# Altium PCB Kame_PDB.PcbDoc
Units mm, origin at the board's own origin, x right, y up, seen from the top; angles counter-clockwise.
Board outline 112 x 65 mm, 4 copper layers (Top, L2, L3, Bottom), stack 1.53 mm thick; 50 components, 40 nets, 223 pads, 624 vias.
Unrouted connection lines stored in the file: 16.
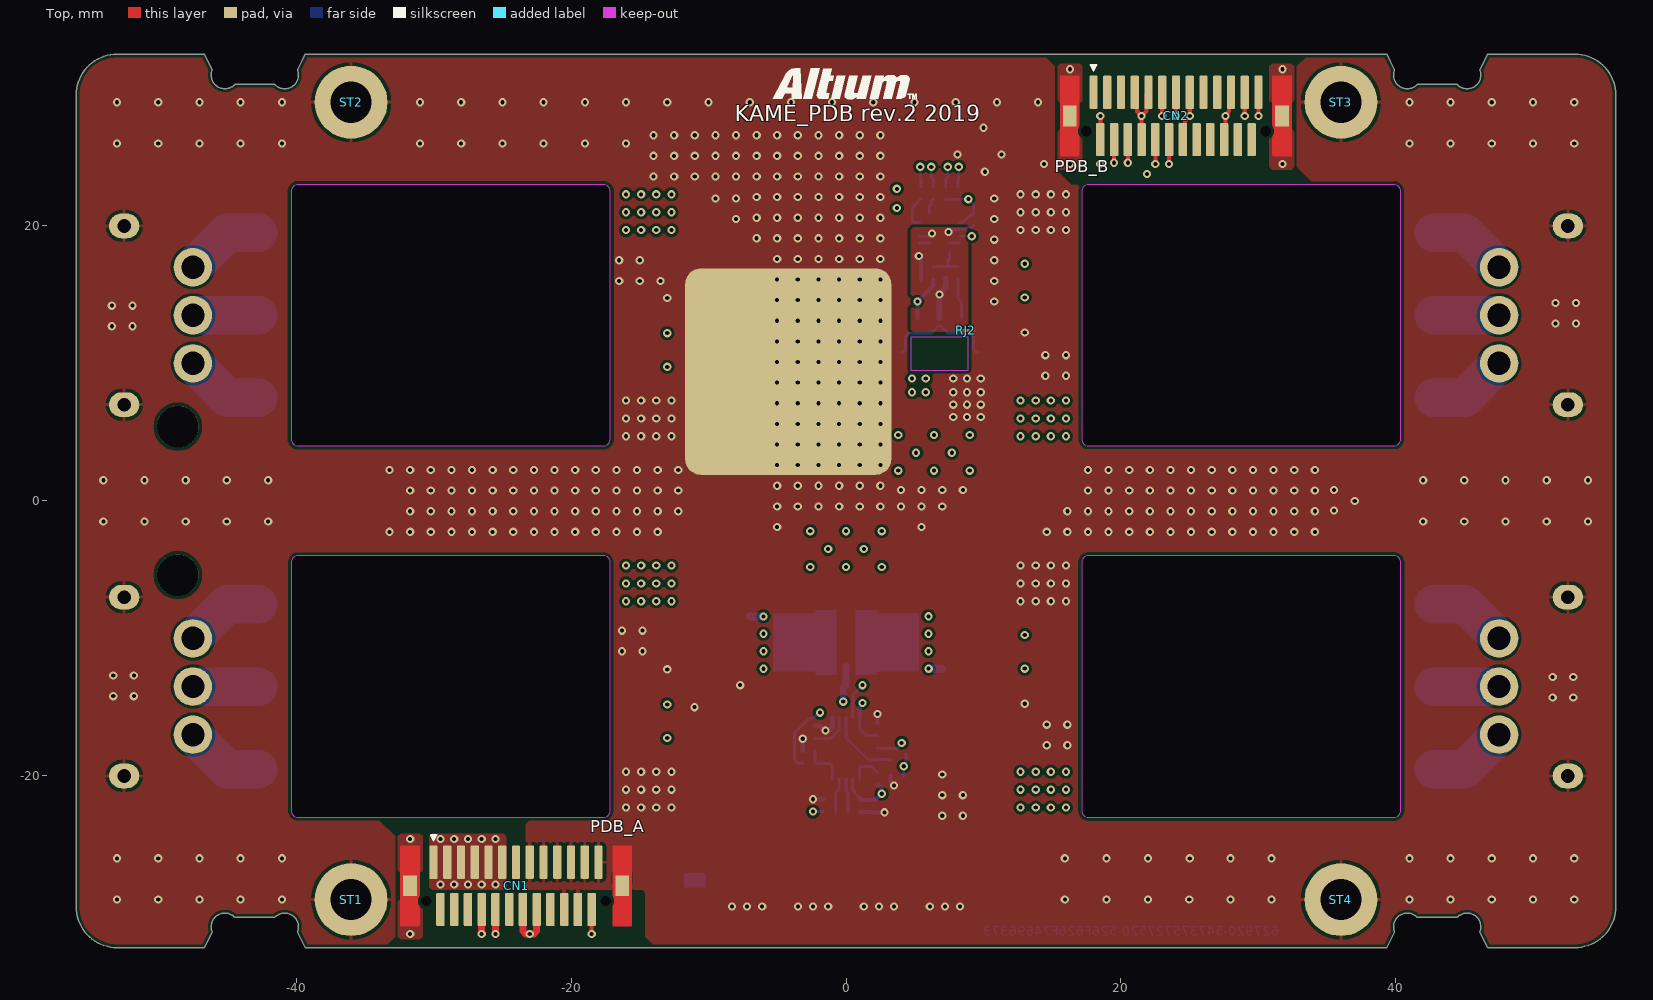
[diagram p0: Top view]
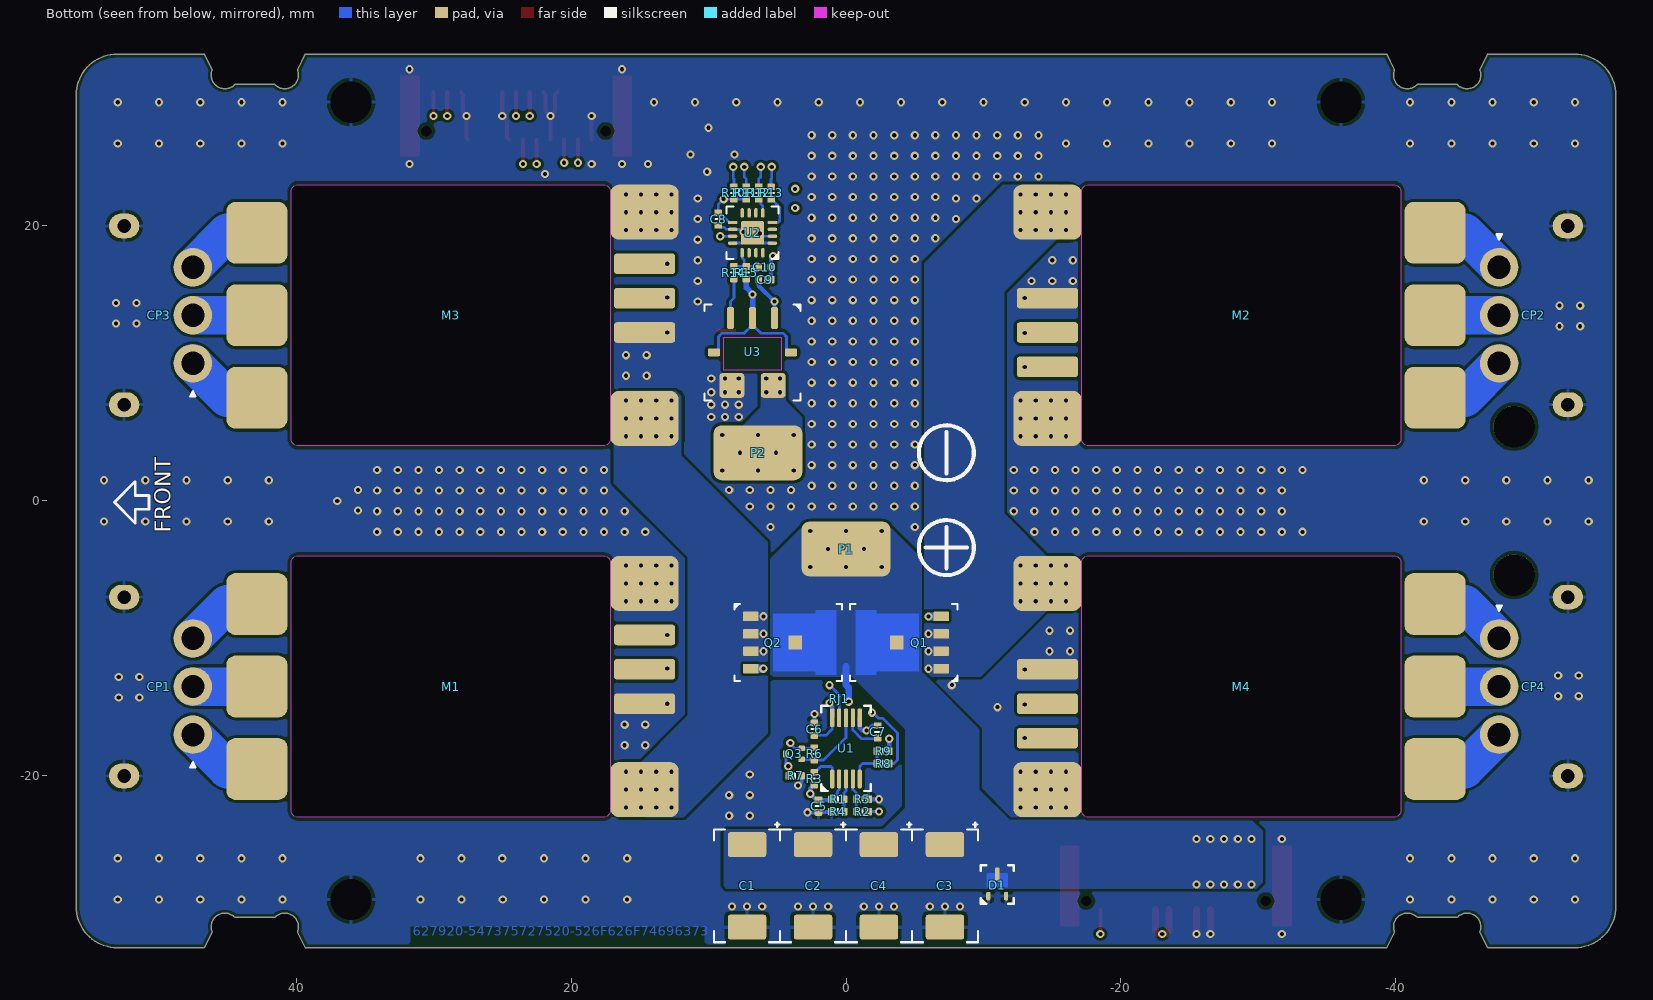
[diagram p1: Bottom view, seen from below]
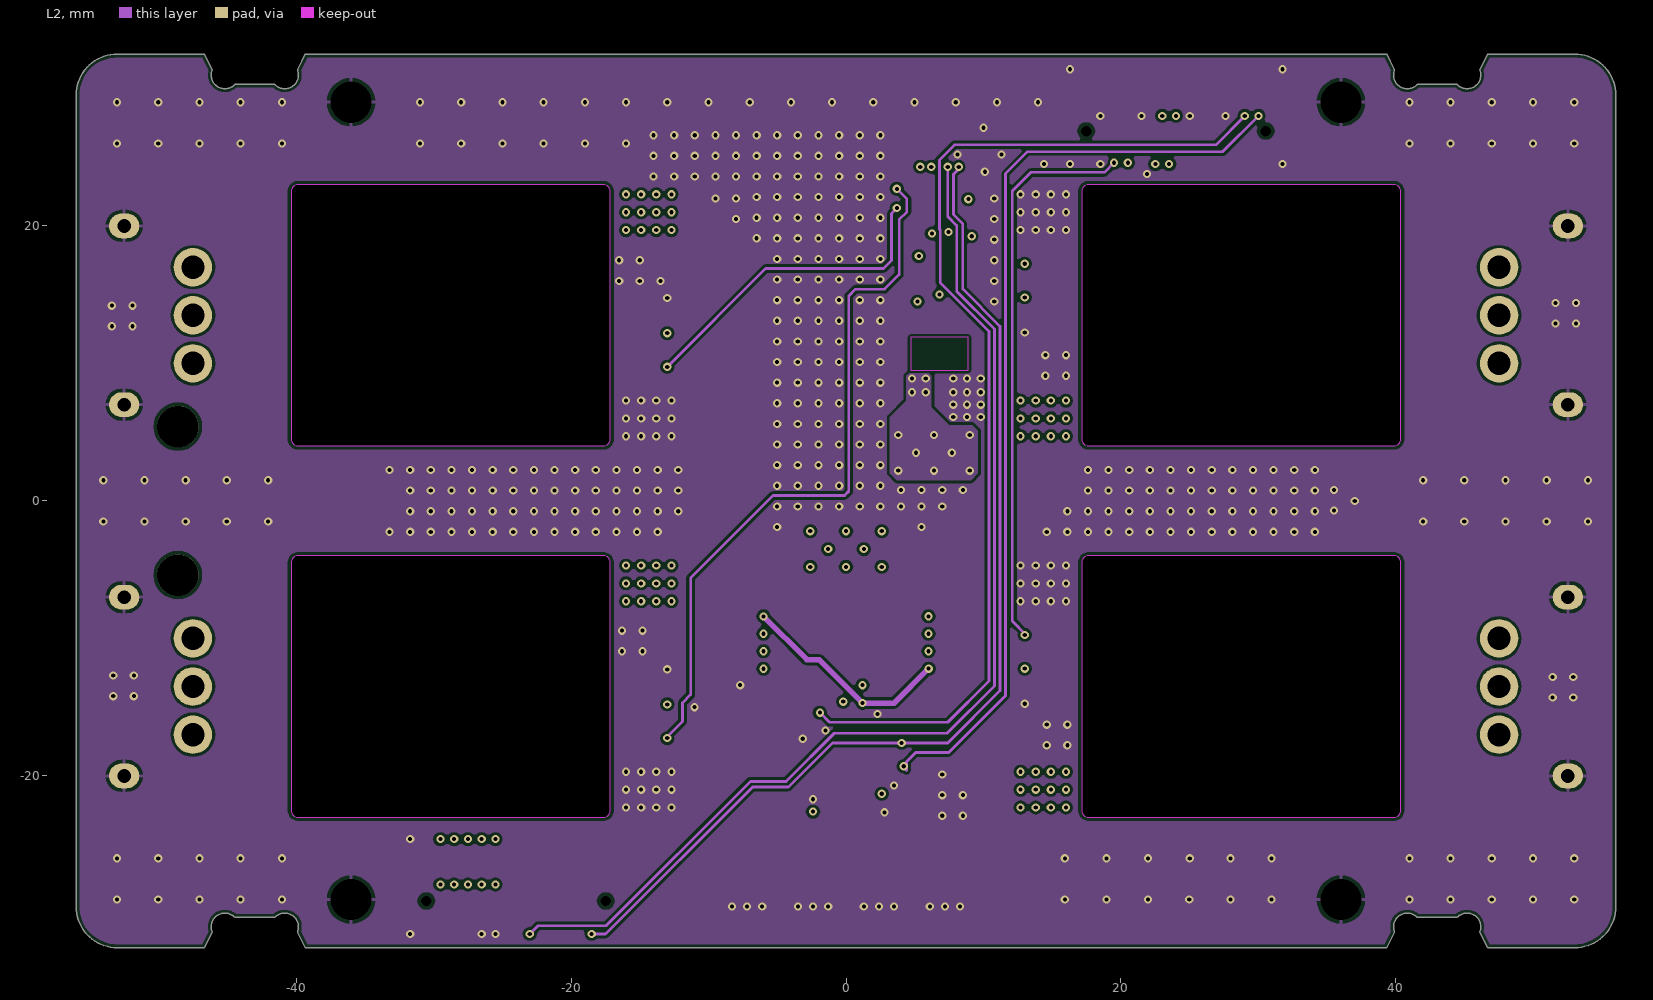
[diagram p2: L2]
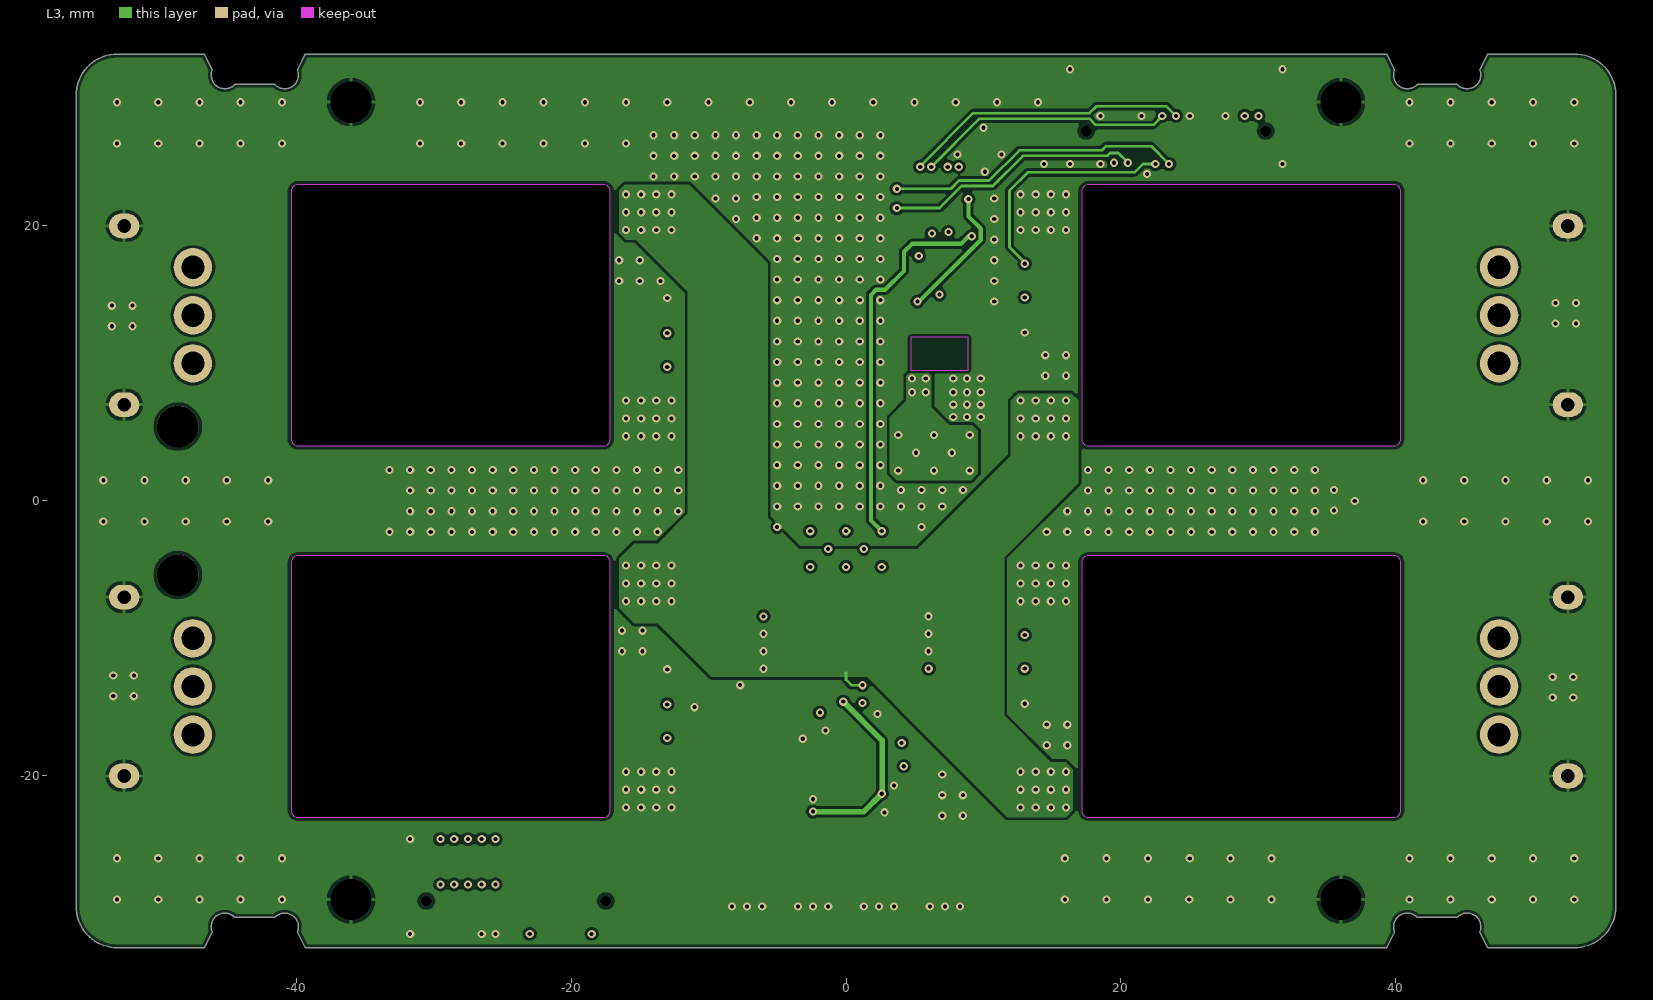
[diagram p3: L3]
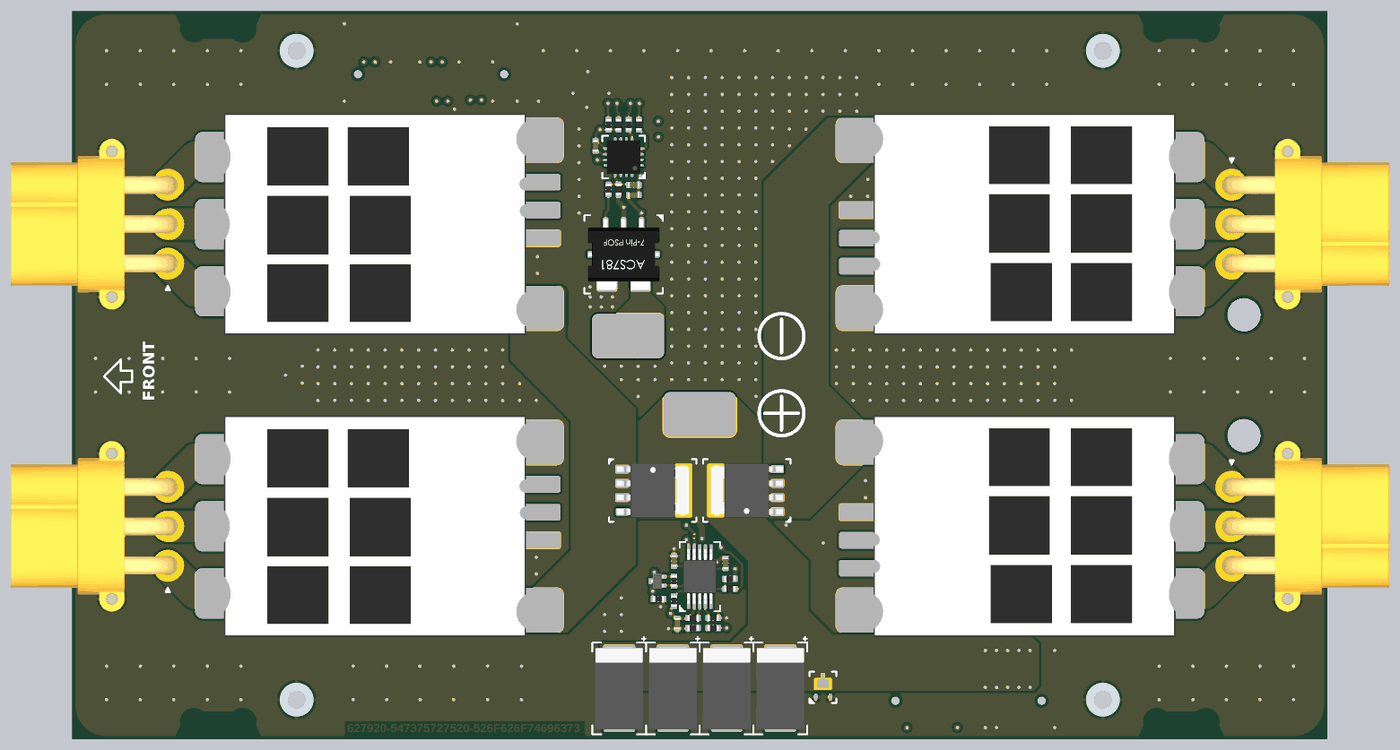
[diagram p4: 3D render of the assembled board from below, using the file's embedded part models]

## Layer stack, top to bottom
Top Solder: solder mask 0.0102, Solder Resist, Dk 3.5
Top: signal copper 0.06
PP1: prepreg 0.32, PP-006, Dk 4.1
L2: signal copper 0.035
Core1: core 0.7, Core-009, Dk 4.6
L3: signal copper 0.035
PP2: prepreg 0.32, PP-006, Dk 4.1
Bottom: signal copper 0.06
Bottom Solder: solder mask 0.0102, Solder Resist, Dk 3.5

## Board outline
-53,-32.5 -46.675,-32.5 -46.108,-31.341 cw(c-45.176,-30.979) -44.442,-30.3 -41.558,-30.3 cw(c-40.824,-30.979) -39.892,-31.341 -39.325,-32.5 39.325,-32.5 39.892,-31.341 cw(c40.824,-30.979) 41.558,-30.3 44.442,-30.3 cw(c45.176,-30.979) 46.108,-31.341 46.675,-32.5 53,-32.5 ccw(c53,-29.5) 56,-29.5 56,29.5 ccw(c53,29.5) 53,32.5 46.675,32.5 46.108,31.341 cw(c45.176,30.979) 44.442,30.3 41.558,30.3 cw(c40.824,30.979) 39.892,31.341 39.325,32.5 -39.325,32.5 -39.892,31.341 cw(c-40.824,30.979) -41.558,30.3 -44.442,30.3 cw(c-45.176,30.979) -46.108,31.341 -46.675,32.5 -53,32.5 ccw(c-53,29.5) -56,29.5 -56,-29.5 ccw(c-53,-29.5)

## Design rules (kind name [scope] priority, off if disabled: settings)
BoardOutlineClearance [All] p1: gap=0.25 ignorepadtopadclearanceinfootprint=FALSE
Clearance "Outline/NPTH clearance" [(IsThruPin and (PadisPlated = 'False')) or IsBoardCutoutRegion or IsBoardOutline] p1: gap=0.25 ignorepadtopadclearanceinfootprint=FALSE
Clearance "Polygon Clearance" [InPolygon] p2: gap=0.2 ignorepadtopadclearanceinfootprint=FALSE
Clearance "Abs Min clearance" [All] p3: gap=0.2 ignorepadtopadclearanceinfootprint=FALSE
Clearance "Top clearance" [OnLayer('Top') vs OnLayer('Top')] p4: gap=0.2 ignorepadtopadclearanceinfootprint=FALSE
Clearance "Bottom clearance" [OnLayer('Bottom') vs OnLayer('Bottom')] p5: gap=0.2 ignorepadtopadclearanceinfootprint=FALSE
DiffPairsRouting "Current sensing" [InDifferentialPairClass('Current Sensing')] p1: maxlimit=0.2 minlimit=0.15 mostfreqgap=0.15 toplayer_minwidth=0.15 toplayer_maxwidth=0.2 toplayer_prefwidth=0.15 midlayer1_minwidth=0.15 midlayer1_maxwidth=0.2 midlayer1_prefwidth=0.15 midlayer2_minwidth=0.15 midlayer2_maxwidth=0.2 midlayer2_prefwidth=0.15 bottomlayer_minwidth=0.15 bottomlayer_maxwidth=0.2 bottomlayer_prefwidth=0.15 maxuncoupledlength=3
DiffPairsRouting USB_90R [InDifferentialPairClass('USB')] p2: maxlimit=0.16 minlimit=0.16 mostfreqgap=0.16 toplayer_minwidth=0.15 toplayer_maxwidth=0.15 toplayer_prefwidth=0.15 midlayer1_minwidth=0.15 midlayer1_maxwidth=0.15 midlayer1_prefwidth=0.15 midlayer2_minwidth=0.15 midlayer2_maxwidth=0.15 midlayer2_prefwidth=0.15 bottomlayer_minwidth=0.15 bottomlayer_maxwidth=0.15 bottomlayer_prefwidth=0.15 maxuncoupledlength=3
DiffPairsRouting CSI_100R [InDifferentialPairClass('CSI')] p3: maxlimit=0.13 minlimit=0.13 mostfreqgap=0.13 toplayer_minwidth=0.1 toplayer_maxwidth=0.1 toplayer_prefwidth=0.1 midlayer1_minwidth=0.1 midlayer1_maxwidth=0.1 midlayer1_prefwidth=0.1 midlayer2_minwidth=0.1 midlayer2_maxwidth=0.1 midlayer2_prefwidth=0.1 bottomlayer_minwidth=0.1 bottomlayer_maxwidth=0.1 bottomlayer_prefwidth=0.1 maxuncoupledlength=3
HoleSize [All] p1: absolutevalues=TRUE maxlimit=30 minlimit=0.2 maxpercent=80.000 minpercent=20.000
HoleToHoleClearance [All] p1: gap=0.2 allowstackedmicrovias=TRUE
MatchedLengths "CSI matching" [All] p1 off: tolerance=0.125 checknetsindiffpair=FALSE checkdiffpairvsdiffpair=TRUE checkxsignals=TRUE checkothers=TRUE
MatchedLengths "USB matching" [InDifferentialPairClass('90R')] p2: tolerance=0.125 checknetsindiffpair=TRUE checkdiffpairvsdiffpair=FALSE checkxsignals=FALSE checkothers=FALSE
MaximumViaCount [All] p1: limit=1000
MinimumSolderMaskSliver [All] p1: minsoldermaskwidth=0.1
PlaneClearance [All] p1: clearance=0.25
PlaneConnect [IsThruPin and (PadisPlated = 'True')] p1: planeconnectstyle=Relief reliefexpansion=0.508 reliefentries=4 reliefconductorwidth=0.254 reliefairgap=0.254
PolygonConnect [IsPolygon vs IsRegion] p1: connectstyle=Relief reliefconductorwidth=0.25 reliefentries=4 polygonreliefangle="90 Angle" airgapwidth=0.25
PolygonConnect PolygonConnect_3 [IsPolygon vs InNet('ESC_POWER') And IsVia or   InNet('BAT_-') And IsVia or    InNet('GND') And IsVia or    InNet('BAT_PWR17_PDB') And  IsVia or  InNet('ESC_POWER') And IsPad or  InNet('BAT_PWR17_PDB') And IsPad   or  InNet('BAT_-') And IsPad] p2: connectstyle=Direct reliefconductorwidth=0.254 reliefentries=4 polygonreliefangle="90 Angle" airgapwidth=0.254
PolygonConnect PolygonConnect_2 [IsPolygon vs InComponent('M1') and InNet('GND') and IsPad or InComponent('M2') and InNet('GND') and IsPad or InComponent('M3') and InNet('GND') and IsPad or InComponent('M4') and InNet('GND') and IsPad or InComponent('U3') and InNet('GND') and IsPad] p3: connectstyle=Direct reliefconductorwidth=0.254 reliefentries=4 polygonreliefangle="90 Angle" airgapwidth=0.254
PolygonConnect PolygonConnect_1 [All] p4: connectstyle=Relief reliefconductorwidth=0.25 reliefentries=4 polygonreliefangle="90 Angle" airgapwidth=0.25
RoutingVias [All] p1: holewidth=0.2 width=0.5 viastyle="Through Hole" minholewidth=0.2 minwidth=0.4 maxholewidth=0.3 maxwidth=0.7
SilkToSilkClearance [All] p1: silktosilkclearance=0
SilkToSolderMaskClearance [IsPad] p1: minsilkscreentomaskgap=0.1 clearancetoexposedcopper=TRUE
SolderMaskExpansion [All] p1: expansion=0.05 istentingtop=FALSE
Width [All] p1: maxlimit=5 minlimit=0.1 preferedwidth=0.15
22 further rules are at their usual default settings.

## Classes and differential pairs
component class 2_mb_conn: CN1 CN2 D1 ST1 ST2 ST3 ST4
component class 4_bat_input&power_monitor: C8 C9 C10 P1 P2 R10 R11 R12 R13 R14 R15 RJ2 U2 U3
net class ESC_M[1..4]: ESC_M1 ESC_M2 ESC_M3 ESC_M4
component class 3_esc_power_sw: C1 C2 C3 C4 C5 C6 C7 CP1 CP2 CP3 CP4 M1 M2 M3 M4 Q1 Q2 Q3 R1 R2 R3 R4 R5 R6 R7 R8 R9 RJ1 U1

## Components (designator, comment, footprint, x,y, rotation, side; value= is the part's Value field where it differs from the comment)
C1 "Capacitor 33µF +/-20% 25V 2917" EEF-CX1E330R-Footprint-1 7.2,-28 r270 bottom value=33µF
C2 "Capacitor 33µF +/-20% 25V 2917" EEF-CX1E330R-Footprint-1 2.4,-28 r270 bottom value=33µF
C3 "Capacitor 33µF +/-20% 25V 2917" EEF-CX1E330R-Footprint-1 -7.2,-28 r270 bottom value=33µF
C4 "Capacitor 33µF +/-20% 25V 2917" EEF-CX1E330R-Footprint-1 -2.4,-28 r270 bottom value=33µF
C5 "Capacitor 100nF +/-20% 50V 0402" CAPC0402(1005)60_L 2,-22.2 r270 bottom value=100nF
C6 "Capacitor 22pF +/-10% 50V 0402" CAPC0402(1005)60_L 2.3,-16.6 r270 bottom value=22pF
C7 "Capacitor 100nF +/-20% 50V 0402" CAPC0402(1005)60_L -2.3,-16.8 r90 bottom value=100nF
C8 "Capacitor 100nF +/-20% 50V 0402" CAPC0402(1005)60_L 9.3,20.5 r270 bottom value=100nF
C9 "Capacitor 100nF +/-20% 50V 0402" CAPC0402(1005)60_L 5.9,16.1 r180 bottom value=100nF
C10 "Capacitor 100nF +/-20% 50V 0402" CAPC0402(1005)60_L 5.9,17 r180 bottom value=100nF
CN1 "91911-31325LF" AMPH-91911-31325_V -24,-28 r0 top locked
CN2 "91911-31325LF" AMPH-91911-31325_V 24,28 r0 top locked
CP1 "CN-1P-2M-R3" MR30PW-FB-Footprint-1 50,-13.5 r180 bottom locked
CP2 "CN-1P-2M-R3" MR30PW-FB-Footprint-1 -50,13.5 r0 bottom locked
CP3 "CN-1P-2M-R3" MR30PW-FB-Footprint-1 50,13.5 r180 bottom locked
CP4 "CN-1P-2M-R3" MR30PW-FB-Footprint-1 -50,-13.5 r0 bottom locked
D1 "ESDA24P140-1U3M" STM-QFN3 -11,-27.9 r90 bottom
M1 "KISS_ESC_2-6S_32A" "ESC 2-6S 32A-Footprint-1" 29,-13.5 r0 bottom locked
M2 "KISS_ESC_2-6S_32A" "ESC 2-6S 32A-Footprint-1" -29,13.5 r180 bottom locked
M3 "KISS_ESC_2-6S_32A" "ESC 2-6S 32A-Footprint-1" 29,13.5 r0 bottom locked
M4 "KISS_ESC_2-6S_32A" "ESC 2-6S 32A-Footprint-1" -29,-13.5 r180 bottom locked
P1 "WIRE_PAD_7x4" WIRE_PAD_7x4-Footprint-1 0,-3.5 r180 bottom locked
P2 "WIRE_PAD_7x4" WIRE_PAD_7x4-Footprint-1 6.4,3.5 r180 bottom
Q1 "PSMN1R0-30YLDX" NXP-SOT669_L -4.2,-10.3 r0 bottom
Q2 "PSMN1R0-30YLDX" NXP-SOT669_L 4.2,-10.3 r180 bottom
Q3 "RZM002P02T2L" ROHM-SOT723-3_V 3.795,-18.4 r0 bottom
R1 "Resistor 953K +/-1 % 0402 63 mW" RESC0402(1005)_L 0.6,-21.7 r0 bottom value=953k
R2 "Resistor 232K +/-1 % 0402 63 mW" RESC0402(1005)_L -1.2,-22.599 r180 bottom value=232k
R3 "Resistor 2K8  +/-1 % 0402 63 mW" RESC0402(1005)_L 2.3,-20.2 r270 bottom value=2.8k
R4 "Resistor 82K  +/-1 % 0402 63 mW" RESC0402(1005)_L 0.6,-22.6 r180 bottom value=82k
R5 "Resistor 82K  +/-1 % 0402 63 mW" RESC0402(1005)_L -1.2,-21.699 r0 bottom value=82k
R6 "Resistor 100K +/-1 % 0402 63 mW" RESC0402(1005)_L 2.3,-18.4 r90 bottom value=100k
R7 "Resistor 100K +/-1 % 0402 63 mW" RESC0402(1005)_L 3.7,-20 r0 bottom value=100k
R8 "Resistor 1K +/-5 % 0402 63 mW" RESC0402(1005)_L -2.7,-19.1 r180 bottom value=1k
R9 "Resistor 100K +/-1 % 0402 63 mW" RESC0402(1005)_L -2.7,-18.2 r0 bottom value=100k
R10 "Jumper 0402" RESC0402(1005)_L 8.15,22.4 r90 bottom value=0
R11 "Jumper 0402" RESC0402(1005)_L 7.25,22.4 r90 bottom value=0
R12 "Jumper 0402" RESC0402(1005)_L 6.35,22.4 r90 bottom value=0
R13 "Jumper 0402" RESC0402(1005)_L 5.45,22.4 r90 bottom value=0
R14 "Resistor 120K +/-1 % 0402 63 mW" RESC0402(1005)_L 8.15,16.6 r90 bottom value=120k
R15 "Resistor 3K +/-1 % 0402 63 mW" RESC0402(1005)_L 7.25,16.6 r90 bottom value=3k
RJ1 "Net Tie 10x8mil" "New footprint 1" 0.5,-14.4 r90 bottom net-tie
RJ2 "Net Tie 10x8mil" "New footprint 1" 8.7,12.4 r180 top net-tie
ST1 "9774050243R" WE-9774050243R_V -36,-29 r0 top locked
ST2 "9774050243R" WE-9774050243R_V -36,29 r0 top locked
ST3 "9774050243R" WE-9774050243R_V 36,29 r0 top locked
ST4 "9774050243R" WE-9774050243R_V 36,-29 r0 top locked
U1 "LM5060MM" DGS0010A_N 0,-18 r90 bottom
U2 "INA230AIRGT" RGT0016C_V 6.8,19.5 r0 bottom locked
U3 "ACS781LLRTR-100U-T" ALEG-PSOF-7_V 6.8,10.8 r270 bottom locked

## Footprints (in the part's own frame and the unit in brackets; to place one, negate y for a bottom-side part, rotate by r counter-clockwise, add the part's x,y. Pads: shape width x height; smd on the part's side, far side on the other; paste and mask are expansions set on the pad)
ALEG-PSOF-7_V [mm] "SOF, 8-Leads, Body 4.8x6.4mm"
  rrect50% 1.6x0.5 smd: 1(-2.5,1.6) 2(-2.5,0) 3(-2.5,-1.6)
  rrect50% 0.6x0.9 smd: 4(0,-2.8) 7(0,2.8)
  rrect25% 1.8x1.8 smd: 5(2.4,-1.5) 6(2.4,1.5)
  Keep-Out Layer region: -1.1,2.1 1.3,2.1 1.3,-2.1 -1.1,-2.1
  silkscreen extent -3.5,-3.5 3.5,3.5, body extent -3.2,-3.2 3.2,3.2, height 1.49
AMPH-91911-31325_V [mm] "SMD, 25-Leads, Body 5.59x17.3mm, Pitch 1mm"
  rrect25% 0.61x2.41 smd paste-0.61: 1(-6,1.72) 2(-5,1.72) 3(-4,1.72) 4(-3,1.72) 5(-2,1.72) 6(-1,1.72) 7(0,1.72) 8(1,1.72) 9(2,1.72) 10(3,1.72) 11(4,1.72) 12(5,1.72) 13(6,1.72) 14(-5.5,-1.72) 15(-4.5,-1.72) 16(-3.5,-1.72) 17(-2.5,-1.72) 18(-1.5,-1.72) 19(-0.5,-1.72) 20(0.5,-1.72) 21(1.5,-1.72) 22(2.5,-1.72) 23(3.5,-1.72) 24(4.5,-1.72) 25(5.5,-1.72)
  round 0 hole 0.76 unplated: H1(-6.528,-1.1) H2(6.528,-1.1)
  rect 1x1.5 smd paste-0.61: MP1(-7.72,0) MP2(7.72,0)
  Top region: 8.42,-2.855 8.42,2.855 8.42,2.869 8.409,2.895 8.39,2.914 8.364,2.925 8.35,2.925 8.35,2.925 7.1,2.925 7.084,2.925 7.055,2.913 7.032,2.89 7.02,2.861 7.02,2.845 7.02,2.845 7.02,-0.689 7.084,-0.78 7.159,-0.989 7.159,-1.211 7.083,-1.419 7.019,-1.511 7.019,-1.511 7.02,-2.845 7.02,-2.861 7.032,-2.89 7.055,-2.913 7.084,-2.925 7.1,-2.925 7.1,-2.925 8.35,-2.925 8.364,-2.925 8.39,-2.914 8.409,-2.895 8.42,-2.869 8.42,-2.855
  Top region: -8.42,-2.855 -8.42,2.855 -8.42,2.869 -8.409,2.895 -8.39,2.914 -8.364,2.925 -8.35,2.925 -8.35,2.925 -7.1,2.925 -7.084,2.925 -7.055,2.913 -7.032,2.89 -7.02,2.861 -7.02,2.845 -7.02,2.845 -7.02,-0.689 -7.084,-0.78 -7.159,-0.989 -7.159,-1.211 -7.083,-1.419 -7.019,-1.511 -7.019,-1.511 -7.02,-2.845 -7.02,-2.861 -7.032,-2.89 -7.055,-2.913 -7.084,-2.925 -7.1,-2.925 -7.1,-2.925 -8.35,-2.925 -8.364,-2.925 -8.39,-2.914 -8.409,-2.895 -8.42,-2.869 -8.42,-2.855
  silkscreen extent -6.2,3.3 -5.8,3.7, body extent -8.65,-2.8 8.65,2.8, height 5
CAPC0402(1005)60_L [mm] "Chip Capacitor, Body 1.0x0.5mm, Height 0.6mm, IPC High Density"
  rrect25% 0.5x0.55 smd: 1(-0.45,0) 2(0.45,0)
  silkscreen extent 0,-0.2 0,0.2, body extent -0.5,-0.25 0.5,0.25, height 0.6
DGS0010A_N [mm] "SOP, 10-Leads, Body 3.1x3.1mm, Pitch 0.5mm, IPC Medium Density"
  rrect50% 1.35x0.3 smd: 1(-2.225,1) 2(-2.225,0.5) 3(-2.225,0) 4(-2.225,-0.5) 5(-2.225,-1) 6(2.225,-1) 7(2.225,-0.5) 8(2.225,0) 9(2.225,0.5) 10(2.225,1)
  silkscreen extent -3.1,-1.8 3.1,1.8, body extent -2.45,-1.5 2.45,1.5, height 0.94
EEF-CX1E330R-Footprint-1 [mm]
  rrect20% 1.8x2.8 smd: 1(-3,0) 2(3,0)
  silkscreen extent -4.6,-2.4 4.1,2.4, body extent -3.7,-2.15 3.7,2.15, height 1.85
"ESC 2-6S 32A-Footprint-1" [mm]
  rrect30% 4.95x4 smd: 1(-14.35,7.5) 5(-14.35,-7.5)
  rrect30% 4.45x1.5 smd: 2(-14.35,1.25) 3(-14.35,-1.25) 4(-14.35,-3.75)
  rrect30% 4.45x4.5 smd: 6(13.85,-6) 7(13.85,0) 8(13.85,6)
  Keep-Out Layer board cut-out: -11.35,9.5 10.85,9.5 10.949,9.5 11.133,9.424 11.274,9.283 11.35,9.1 11.35,9 11.35,9 11.35,-9 11.35,-9.1 11.274,-9.283 11.133,-9.424 10.949,-9.5 10.85,-9.5 10.85,-9.5 -11.35,-9.5 -11.449,-9.5 -11.633,-9.424 -11.774,-9.283 -11.85,-9.099 -11.85,-9 -11.85,-9 -11.85,9 -11.85,9.099 -11.774,9.283 -11.633,9.424 -11.449,9.5 -11.35,9.5